# Altium PCB JDC-858D+HAKKO907.PcbDoc (part 2 of 2)
Units mm, origin at the board's own origin, x right, y up, seen from the top; angles counter-clockwise.
Board outline 83 x 150 mm, 2 copper layers (Top Layer, Bottom Layer); 168 components, 101 nets, 415 pads, 39 vias.
Unrouted connection lines stored in the file: 10.
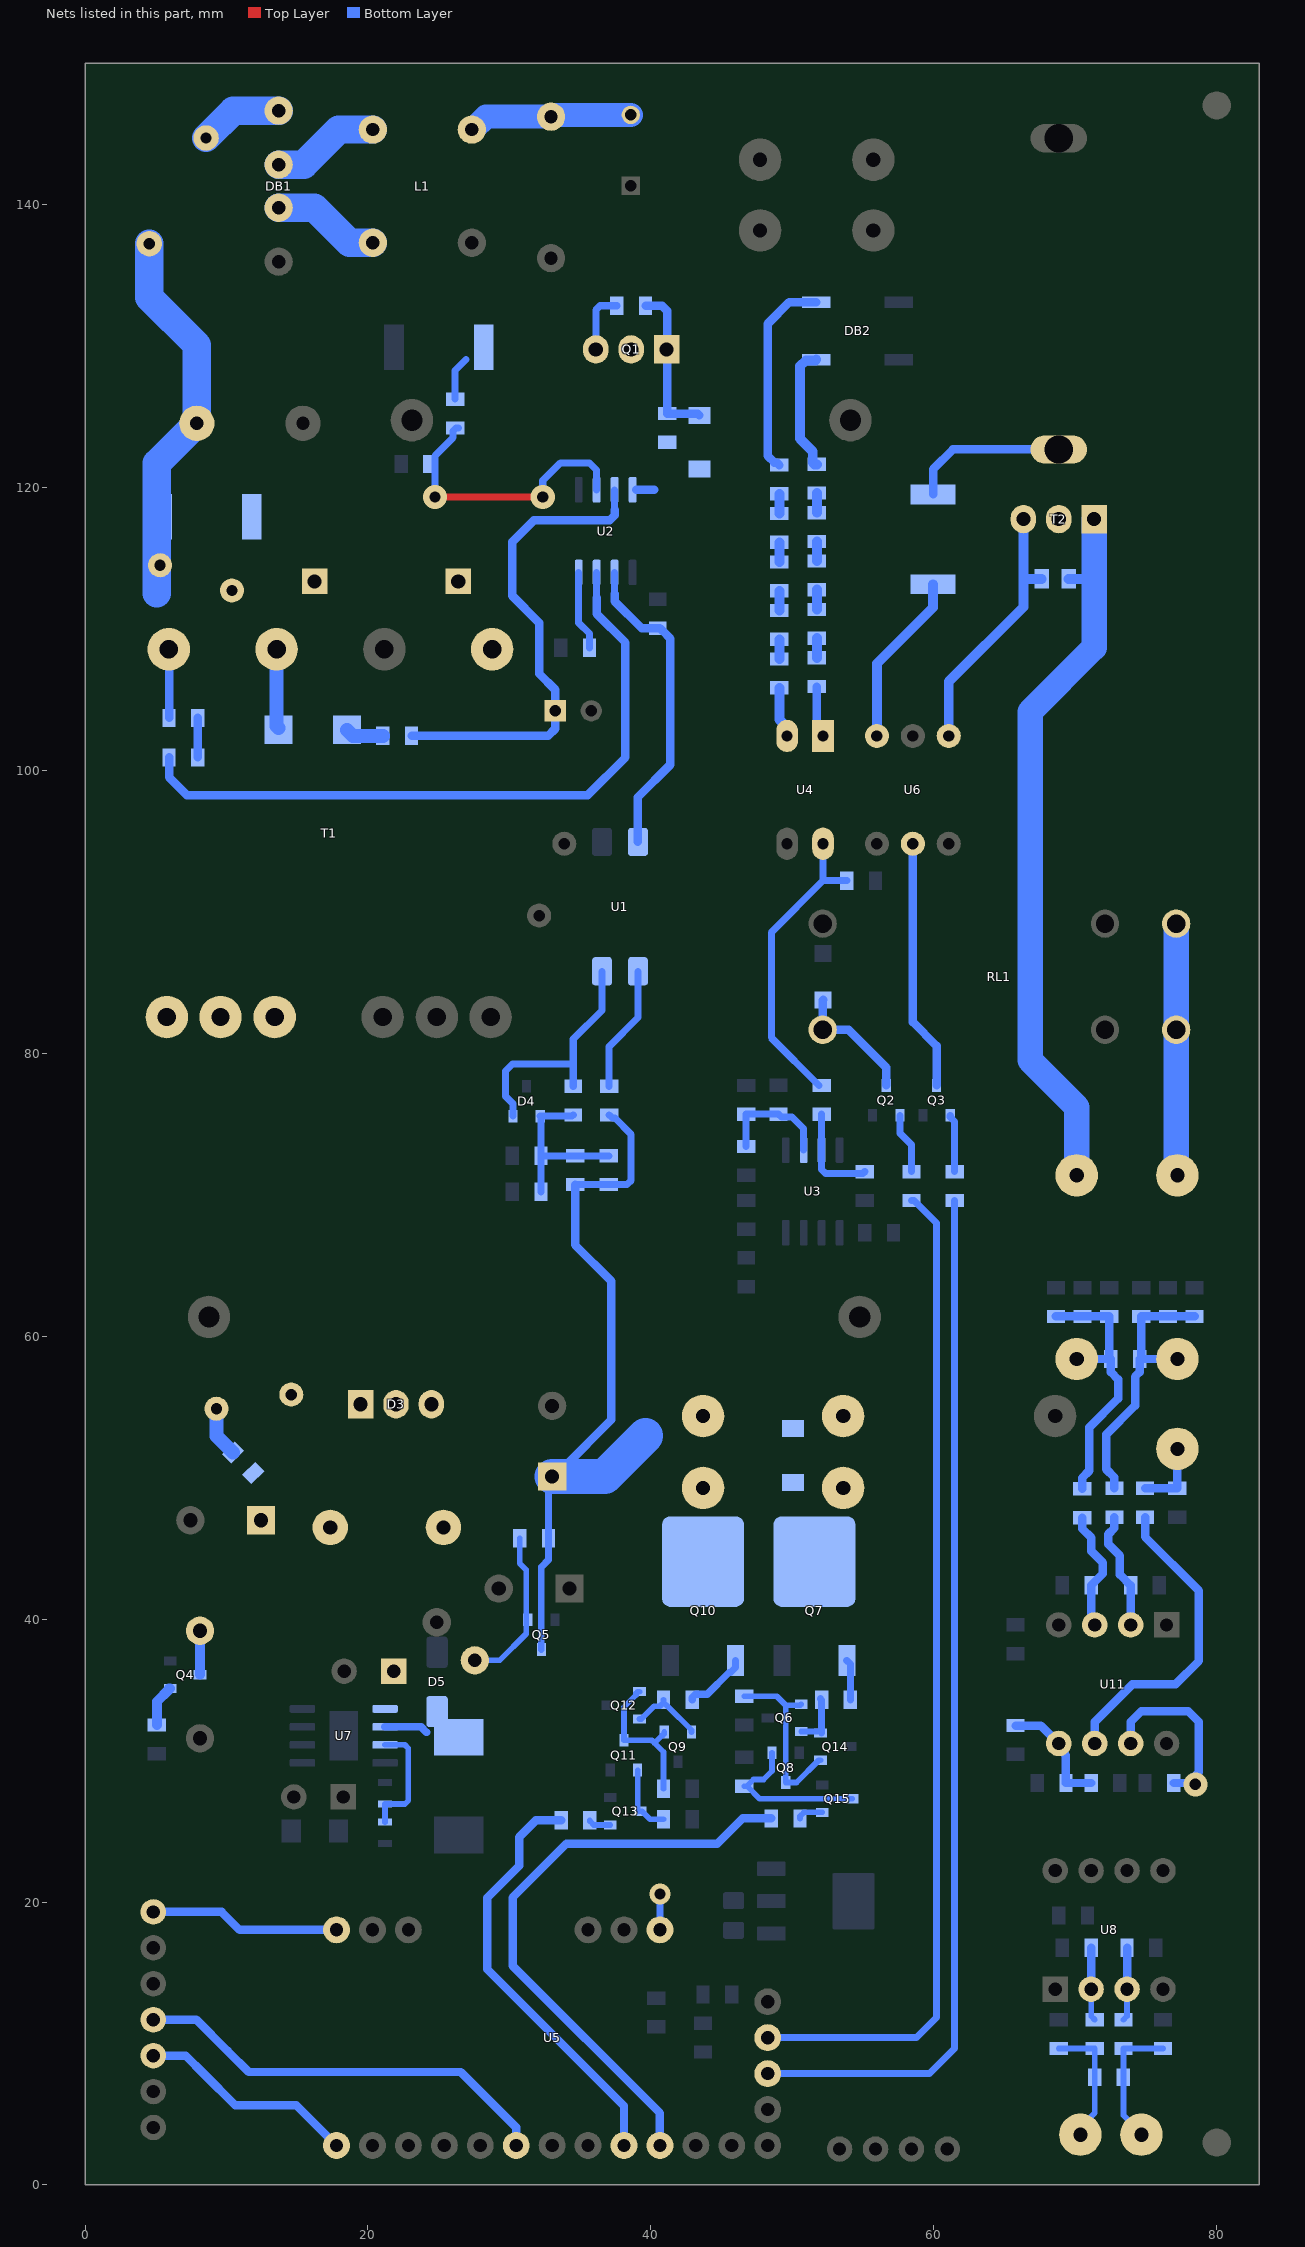
[diagram p2: the nets of this part, all layers, seen from the top]

## Via types
v1: diameter 1.7, hole 0.8, Top Layer to Bottom Layer, 30 vias
v2: diameter 1.2, hole 0.7, Top Layer to Bottom Layer, 6 vias
v3: diameter 1.5, hole 0.8, Top Layer to Bottom Layer, 3 vias

## Nets (pads, with @x,y where several pads share a name; then routed paths per layer and width w, separated by ;. In a path a pad name is that pad's centre, name@x,y a point inside that pad or via, vN(x,y) a via of type N, cw(c..) or ccw(c..) an arc to the next point about the centre after c; other vN are vias at no path point) (continued)
HAKKO_HEAT: R67.1 U5.10 | length 42.4
  Bottom Layer w0.6: U5.10@40.64,2.794 40.64,5.08 30.226,15.494 30.226,20.32 34.036,24.13 44.704,24.13 46.482,25.908 R67.1@48.514,25.908
HALL: R48.1 U5.22 U11.7 | length 15.2
  Bottom Layer w0.5: U5.22@40.64,18.034 v3(40.64,20.574)
  Bottom Layer w0.6: U11.7@73.914,31.21 73.914,32.734 74.676,33.496 77.978,33.496 78.74,32.734 78.74,29.178 77.978,28.416 R48.1@76.962,28.416
  other v1: 78.486,28.321
JDC_FAN: R62.1 U5.9 | length 30.2
  Bottom Layer w0.6: R62.1@33.655,25.781 31.877,25.781 30.679,24.583 30.679,22.551 28.448,20.32 28.448,15.24 38.1,5.588 U5.9@38.1,2.794
MOSI: PAD21.1 U5.31 | length 13.5
  Bottom Layer w0.6: PAD21.1@4.826,19.304 9.652,19.304 10.922,18.034 U5.31@17.78,18.034
NetC1_1: C1.1 C3.2 NTC1.2 R1.1 R2.2 T1.4 | length 32.1
  Bottom Layer w0.6: T1.4@5.921,108.56 5.94,108.541 R2.2@5.94,103.702
  Bottom Layer w2: NTC1.2@4.543,137.23 4.543,133.42 7.905,130.058 C1.1@7.905,124.53 5.08,121.705 5.08,112.522
NetC2_1: C2.1 F1.2 L1.1 | length 11.7
  Bottom Layer w1.7: L1.1@27.347,145.294 27.428,145.294 28.34,146.206 C2.1@32.943,146.206 33,146.263 33.212,146.263 33.283,146.334 F1.2@38.579,146.334
NetC3_1: C3.1 D1.2 R1.2
NetC4_1: C4.1 R3.1 U2.7 | length 34.7
  Bottom Layer w0.5: 37.436,118.434 U2.7@37.436,119.831
  Bottom Layer w0.6: R3.1@23.085,102.432 32.737,102.432 33.245,102.94 33.245,105.693 32.102,106.836 32.102,110.433 30.197,112.338 30.197,116.148 31.721,117.672 37.085,117.672 37.436,118.023 37.436,118.434
NetC5_2: C5.2 U1.4 U2.2 | length 22.4
  Bottom Layer w0.5: 37.436,112.465 U2.2@37.436,113.989
  Bottom Layer w0.6: 37.436,112.465 37.436,111.957 39.341,110.052 40.639,110.052 40.814,109.877 41.373,109.318 41.373,100.4 39.087,98.114 U1.4@39.087,94.939
NetC6_2: C6.2 R6.1 U2.6 | length 20.4
  Top Layer w0.5: v1(24.736,119.323) v1(32.356,119.323)
  Bottom Layer w0.5: v1(24.736,119.323) 24.736,122.233 26.016,123.513 26.016,123.986 26.236,124.206 R6.1@26.416,124.206 ; v1(32.356,119.323) 32.356,120.494 33.598,121.736 35.658,121.736 36.166,121.228 U2.6@36.166,119.831
NetC9_1: C9.1 R19.1 R25.1 U3.2 | length 8.3
  Bottom Layer w0.5: R19.1@46.736,73.406 R25.1@46.736,75.692 C9.1@49.022,75.692 49.224,75.49 49.986,75.49 50.8,74.676 U3.2@50.8,73.152
NetC10_1: C10.1 D3.1 D3.3 T1.5 T1.6 T1.7
NetC10_2: C10.2 R26.1 | length 3.6
  Bottom Layer w1: C10.2@9.294,54.872 9.294,52.936 R26.1@10.458,51.772
NetC11_1: C11.1 D3.2 L2.1 R26.2
NetC13_1: C13.1 D4.1 R29.1 R30.1 R31.2 R32.2 | length 12.5
  Bottom Layer w0.5: R31.2@32.229,70.212 R32.2@32.229,72.752 ; C13.1@34.515,75.635 34.436,75.556 D4.1@32.178,75.556 32.229,75.505 R32.2@32.229,72.752 ; R29.1@37.027,72.752 R30.1@34.642,72.752 R32.2@32.229,72.752
NetC13_2: C13.2 D4.2 U1.2 | length 17.4
  Bottom Layer w0.5: D4.2@30.248,75.556 30.248,76.432 29.718,76.962 29.718,78.74 30.226,79.248 34.515,79.248 ; C13.2@34.515,77.667 34.515,79.248 ; U1.2@36.547,85.795 36.547,83.029 34.515,80.997 34.515,79.248
NetC16_1: C16.1 PAD12.1 R38.1 R39.1 R40.1 R42.1 | length 19.7
  Bottom Layer w0.6: R38.1@68.636,61.398 R39.1@70.513,61.398 R40.1@72.39,61.398 72.39,58.515 C16.1@72.517,58.388 ; PAD12.1@70.104,58.388 C16.1@72.517,58.388 ; R42.1@70.485,49.206 70.485,49.976 70.993,50.484 70.993,53.554 73.033,55.594 73.033,56.942 72.517,57.458 C16.1@72.517,58.388
NetC16_2: C16.2 PAD11.1 R44.1 R45.1 R46.1 R47.1 | length 19.8
  Bottom Layer w0.6: R44.1@72.771,49.244 72.771,50.014 72.193,50.592 72.193,53.057 74.233,55.097 74.233,57.142 74.549,57.458 C16.2@74.549,58.388 C16.2@74.676,58.388 ; PAD11.1@77.216,58.388 C16.2@74.676,58.388 ; R46.1@78.43,61.398 R45.1@76.553,61.398 R47.1@74.676,61.398 C16.2@74.676,58.388
NetC19_1: C19.1 R50.1 R51.2 U11.5 | length 8.4
  Bottom Layer w0.6: C19.1@65.786,32.48 67.564,32.48 U11.5@68.834,31.21 68.834,30.885 69.342,30.377 R51.2@69.342,28.416 R50.1@71.12,28.416
NetC23_1: C23.1 PAD9.1 R27.1 R61.1 | length 9.4
  Bottom Layer w0.4: PAD9.1@74.676,3.556 74.676,3.654 73.406,4.924 C23.1@73.406,7.62 R61.1@73.406,9.652 R27.1@76.2,9.652
NetC23_2: C23.2 PAD8.1 R65.1 R66.1 | length 9.1
  Bottom Layer w0.4: R66.1@68.834,9.652 R65.1@71.374,9.652 C23.2@71.374,7.62 71.374,5.09 70.358,4.074 PAD8.1@70.358,3.556
NetD2_1: D2.1 Q1.1 R5.2 R8.2 | length 11.3
  Bottom Layer w0.6: R8.2@39.624,132.842 40.797,132.842 41.148,132.491 41.148,129.798 Q1.1@41.108,129.758 41.148,129.718 R5.2@41.148,125.222 43.302,125.222 D2.1@43.434,125.09
NetD2_2: D2.2 R5.1 U2.8 | length 1.2
  Bottom Layer w0.6: 38.981,119.831 40.231,119.831
NetD5_K: D5.2 L3.1 U7.2 | length 3.1
  Bottom Layer w0.55: U7.2@21.209,32.385 23.749,32.385 24.13,32.004
NetD6_2: D6.2 Q5.1 R59.2 | length 11.4
  Bottom Layer w0.4: D6.2@27.559,37.084 29.312,37.084 31.191,38.964 31.191,43.485 30.734,43.942 R59.2@30.734,45.72
NetD7_1: D7.1 Q2.3 RL1.2 | length 9
  Bottom Layer w0.6: D7.1@52.168,83.768 52.156,83.756 52.156,81.676 RL1.2@52.145,81.664 53.972,81.664 56.642,78.994 Q2.3@56.642,77.724
NetDB1_1: DB1.1 NTC1.1 | length 5.9
  Bottom Layer w2: NTC1.1@8.556,144.698 10.487,146.628 DB1.1@13.687,146.628
NetDB1_2: DB1.2 L1.2 | length 7.7
  Bottom Layer w2: DB1.2@13.687,142.818 15.465,142.818 17.941,145.294 L1.2@20.347,145.294
NetDB1_3: DB1.3 L1.3 | length 7.7
  Bottom Layer w2: DB1.3@13.687,139.77 16.227,139.77 18.703,137.294 L1.3@20.347,137.294
NetDB2_1: DB2.1 R13.1 | length 8.9
  Bottom Layer w0.7: DB2.1@51.689,129.032 51.639,128.982 50.956,128.982 50.546,128.572 50.546,123.444 51.442,122.548 51.442,121.751 51.562,121.631 R13.1@51.73,121.631
NetDB2_4: DB2.4 R20.1 | length 14.5
  Bottom Layer w0.6: R20.1@49.087,121.58 48.917,121.75 48.737,121.75 48.26,122.227 48.26,131.572 49.784,133.096 DB2.4@51.689,133.096
NetF2_2: F2.2 R33.2 T2.2 | length 11.2
  Bottom Layer w0.6: R33.2@59.944,119.507 59.944,121.281 61.345,122.682 F2.2@68.834,122.682
NetPAD5_1: PAD5.1 RL1.5 RL1.6 | length 17.8
  Bottom Layer w1.8: RL1.5@77.134,89.164 77.134,71.456 PAD5.1@77.216,71.374
NetPAD6_1: PAD6.1 R34.1 T2.1 | length 51.4
  Bottom Layer w0.7: R34.1@69.53,113.538 71.334,113.538
  Bottom Layer w1.8: PAD6.1@70.104,71.374 70.104,76.2 66.802,79.502 66.802,104.14 71.334,108.672 71.334,113.538 T2.1@71.334,117.758
NetPAD10_1: PAD10.1 R37.1 R49.1 | length 5.1
  Bottom Layer w0.6: R49.1@74.93,49.244 R37.1@77.216,49.244 PAD10.1@77.216,52.038
NetPAD14_1: PAD14.1 Q10.2
NetPAD16_1: Designator2.1 PAD16.1 Q7.2
NetQ1_3: Q1.3 R6.2 R8.1 R9.2 | length 7.5
  Bottom Layer w0.5: R6.2@26.162,126.238 26.162,128.27 26.924,129.032 ; Q1.3@36.108,129.758 36.108,132.549 36.401,132.842 R8.1@37.592,132.842
NetQ2_1: Q2.1 R35.1 | length 4.3
  Bottom Layer w0.5: Q2.1@57.607,75.613 57.607,74.346 58.42,73.533 R35.1@58.42,71.628
NetQ3_1: Q3.1 R36.1 | length 4.1
  Bottom Layer w0.5: Q3.1@61.163,75.613 61.163,75.488 61.468,75.183 R36.1@61.468,71.628
NetQ3_3: Q3.3 U6.2 | length 17.8
  Bottom Layer w0.6: U6.2@58.518,94.812 58.518,82.198 60.198,80.518 Q3.3@60.198,77.724
NetQ4_1: Q4.1 R52.1 | length 3
  Bottom Layer w0.7: R52.1@5.08,32.512 5.08,34.166 5.917,35.003 5.917,35.078 5.942,35.103 Q4.1@6.017,35.103
NetQ4_3: Q4.3 SP1.2 | length 3.1
  Bottom Layer w0.7: Q4.3@8.128,36.068 SP1.2@8.128,39.177
NetQ6_1: Q6.1 Q8.3 Q14.1 R56.2 | length 12.9
  Bottom Layer w0.4: R56.2@46.609,34.544 48.895,34.544 49.53,33.909 ; Q6.1@50.625,33.985 50.549,33.909 49.53,33.909 ; Q14.1@51.991,30.023 51.866,30.023 50.291,28.448 Q8.3@49.53,28.448 49.53,33.909
NetQ6_2: Q6.2 Q14.2 R68.2 | length 3.5
  Bottom Layer w0.4: Q6.2@50.625,32.055 Q14.2@51.714,32.055
  Bottom Layer w0.5: R68.2@51.991,34.369 R68.2@52.07,34.29 Q14.2@52.07,31.953
NetQ7_1: Q7.1 R68.1 | length 2.9
  Bottom Layer w0.5: Q7.1@53.848,37.084 54.102,36.83 R68.1@54.102,34.29
NetQ8_1: Q8.1 Q15.3 R55.2 | length 11.5
  Bottom Layer w0.4: R55.2@46.609,28.194 R55.2@46.789,28.194 ; Q8.1@48.565,30.559 48.565,29.261 47.968,28.664 47.259,28.664 R55.2@46.789,28.194 ; Q15.3@54.229,27.305 47.678,27.305 R55.2@46.789,28.194
NetQ9_1: Q9.1 Q11.3 Q12.1 R58.2 | length 10.8
  Bottom Layer w0.4: Q12.1@39.195,34.874 39.07,34.874 38.945,34.749 38.945,34.624 38.1,33.779 Q11.3@38.1,31.438 40.063,31.438 40.257,31.244 ; R58.2@40.894,28.009 40.894,30.607 40.257,31.244 ; Q9.1@40.945,32.025 40.945,31.9 40.82,31.775 40.787,31.775 40.257,31.244
NetQ9_2: Q9.2 Q12.2 R63.2 | length 5.3
  Bottom Layer w0.4: Q12.2@39.195,32.944 39.32,32.944 40.216,33.84 40.624,33.84 R63.2@40.894,34.11 ; R63.2@40.894,34.29 R63.2@40.894,34.11 ; Q9.2@42.875,32.025 42.875,32.15 41.185,33.84 41.164,33.84 R63.2@40.894,34.11
NetQ10_1: Q10.1 R63.1 | length 4.6
  Bottom Layer w0.5: R63.1@42.926,34.29 42.926,34.47 43.146,34.69 43.983,34.69 45.527,36.234 45.624,36.234 45.974,36.584 Q10.1@45.974,37.084
NetQ11_1: Q11.1 Q13.3 R57.2 | length 5.1
  Bottom Layer w0.4: Q11.1@39.065,29.327 39.065,26.541 39.19,26.416 Q13.3@39.368,26.416 ; Q13.3@39.493,26.291 Q13.3@39.368,26.416 ; R57.2@40.894,25.85 39.934,25.85 Q13.3@39.368,26.416
NetQ13_1: Q13.1 R62.2 | length 1.6
  Bottom Layer w0.4: R62.2@35.687,25.781 35.687,25.721 35.957,25.451 Q13.1@37.132,25.451
NetQ15_1: Q15.1 R67.2 | length 1.8
  Bottom Layer w0.4: R67.2@50.546,25.908 50.546,26.07 50.816,26.34 Q15.1@52.118,26.34
NetR2_1: R2.1 R4.2 | length 2.8
  Bottom Layer w0.6: R4.2@7.972,100.908 R2.1@7.972,103.702
NetR3_2: R3.2 SD1.2 | length 2.7
  Bottom Layer w1: SD1.2@18.519,102.862 18.949,102.432 R3.2@21.053,102.432
NetR4_1: R4.1 U2.3 | length 49.2
  Bottom Layer w0.5: 36.166,112.211 U2.3@36.166,113.989
  Bottom Layer w0.6: R4.1@5.94,100.908 5.94,99.508 7.207,98.241 35.531,98.241 38.198,100.908 38.198,109.036 36.166,111.068 36.166,112.211
NetR7_2: R7.2 U2.4 | length 5.6
  Bottom Layer w0.5: U2.4@34.896,113.989 34.896,110.433 35.658,109.671 R7.2@35.658,108.655
NetR10_2: R10.2 R18.1 U3.3 | length 7.1
  Bottom Layer w0.5: R18.1@52.07,75.692 52.07,71.794 52.363,71.501 54.991,71.501 R10.2@55.118,71.628
NetR12_1: R12.1 R18.2 U4.4 | length 21.7
  Bottom Layer w0.5: R18.2@51.89,77.724 48.514,81.1 48.514,88.548 52.168,92.202 ; U4.4@52.168,94.812 52.168,92.202 ; R12.1@53.848,92.202 52.168,92.202
NetR13_2: R13.2 R14.1 | length 1.4
  Bottom Layer w0.7: R14.1@51.73,118.212 R13.2@51.73,119.609
NetR14_2: R14.2 R15.1 | length 1.4
  Bottom Layer w0.7: R15.1@51.73,114.792 R14.2@51.73,116.189
NetR15_2: R15.2 R16.1 | length 1.4
  Bottom Layer w0.7: R16.1@51.73,111.373 R15.2@51.73,112.77
NetR16_2: R16.2 R17.1 | length 1.4
  Bottom Layer w0.7: R17.1@51.73,107.953 R16.2@51.73,109.35
NetR17_2: R17.2 U4.1 | length 3.9
  Bottom Layer w0.6: R17.2@51.73,105.921 51.73,102.87 U4.1@52.168,102.432 ; U4.1@52.271,102.583 U4.1@52.422,102.432
NetR20_2: R20.2 R21.1 | length 1.4
  Bottom Layer w0.7: R21.1@49.087,118.151 R20.2@49.087,119.548
NetR21_2: R21.2 R22.1 | length 1.4
  Bottom Layer w0.7: R22.1@49.087,114.722 R21.2@49.087,116.119
NetR22_2: R22.2 R23.1 | length 1.4
  Bottom Layer w0.7: R23.1@49.087,111.293 R22.2@49.087,112.69
NetR23_2: R23.2 R24.1 | length 1.4
  Bottom Layer w0.7: R24.1@49.087,107.864 R23.2@49.087,109.261
NetR24_2: R24.2 U4.2 | length 3.6
  Bottom Layer w0.7: R24.2@49.087,105.832 49.087,103.577 49.628,103.036 U4.2@49.628,102.432
NetR28_2: R28.2 U1.1 | length 9
  Bottom Layer w0.5: R28.2@37.055,77.667 37.055,80.489 39.087,82.521 U1.1@39.087,85.795
NetR33_1: R33.1 U6.6 | length 12.4
  Bottom Layer w0.7: U6.6@55.978,102.432 55.978,107.54 59.944,111.506 R33.1@59.944,113.157
NetR34_2: R34.2 T2.3 U6.4 | length 18.8
  Bottom Layer w0.7: U6.4@61.058,102.432 61.058,106.27 66.334,111.546 66.334,113.517 ; T2.3@66.334,117.758 66.334,113.517 ; R34.2@67.63,113.538 66.355,113.538 66.334,113.517
NetR41_2: R41.2 R42.2 U11.3 | length 8.6
  Bottom Layer w0.6: R42.2@70.485,47.174 70.485,46.404 71.128,45.761 71.128,44.81 71.952,43.986 71.952,43.218 R41.2@71.12,42.386 71.12,40.17 71.374,39.916 U11.3@71.374,39.592
NetR43_2: R43.2 R44.2 U11.2 | length 8.5
  Bottom Layer w0.6: R44.2@72.771,47.212 72.771,46.442 72.328,45.999 72.328,45.307 73.152,44.483 73.152,43.148 R43.2@73.914,42.386 U11.2@73.914,39.592
NetR49_2: R49.2 U11.6 | length 22.4
  Bottom Layer w0.6: U11.6@71.374,31.21 71.374,32.734 74.041,35.401 77.089,35.401 78.74,37.052 78.74,42.005 74.93,45.815 R49.2@74.93,47.212
NetR53_2: R53.2 R54.1 U7.3 | length 8.5
  Bottom Layer w0.4: R54.1@21.209,25.652 R53.2@21.209,26.926 22.608,26.926 22.86,27.178 22.86,30.861 22.606,31.115 U7.3@21.209,31.115
NetR60_2: R60.2 R61.2 U8.3 | length 5.2
  Bottom Layer w0.4: R61.2@73.406,11.684 73.66,11.938 U8.3@73.66,13.843
  Bottom Layer w0.6: U8.3@73.66,13.843 R60.2@73.66,16.764
NetR64_2: R64.2 R65.2 U8.2 | length 5.2
  Bottom Layer w0.4: U8.2@71.12,13.843 71.12,11.938 R65.2@71.374,11.684
  Bottom Layer w0.6: U8.2@71.12,13.843 R64.2@71.12,16.764
NetSD1_1: SD1.1 T1.3 | length 5.6
  Bottom Layer w1: T1.3@13.541,108.56 13.541,103.129 SD1.1@13.681,102.989
RELAY: R35.2 U5.16 | length 71.1
  Bottom Layer w0.5: U5.16@48.26,10.414 58.783,10.414 60.198,11.829 60.198,67.998 58.6,69.596 R35.2@58.42,69.596
RES: PAD23.1 U5.6 | length 30.3
  Bottom Layer w0.6: PAD23.1@4.826,11.684 7.874,11.684 10.084,9.474 11.571,7.987 26.557,7.987 30.48,4.064 U5.6@30.48,2.54
SCK: PAD22.1 U5.1 | length 15.6
  Bottom Layer w0.6: PAD22.1@4.826,9.144 7.112,9.144 8.433,7.823 10.604,5.652 14.922,5.652 U5.1@17.78,2.794
SW: D1.1 Q1.2 T1.1
TRIAC: R36.2 U5.15 | length 73.9
  Bottom Layer w0.5: U5.15@48.26,7.874 59.69,7.874 61.468,9.652 61.468,11.793 R36.2@61.468,69.596
VCC: C12.1 C18.1 Designator2.2 L2.2 PAD13.1 PAD15.1 Q5.3 R28.1 R29.2 R30.2 R59.1 U7.1 | length 53.6
  Bottom Layer w0.48: Q5.3@32.258,37.846 32.258,43.688
  Bottom Layer w0.5: 32.258,43.688 32.766,44.196 R59.1@32.766,45.72 32.766,49.824 C12.1@33.02,50.078 ; R30.2@34.642,70.72 R29.2@37.027,70.72 38.315,70.72 38.608,71.013 38.608,74.262 37.455,75.415 37.275,75.415 R28.1@37.055,75.635
  Bottom Layer w0.6: C12.1@33.02,50.078 33.72,50.778 C12.1@34.014,50.778 ; C12.1@33.804,50.695 37.211,54.102 37.211,63.881 34.642,66.45 R30.2@34.642,70.72
  Bottom Layer w2.5: C12.1@33.02,50.078 36.743,50.078 39.624,52.959
pads on no net: D5.0 U2.5 U3.5 U3.6 U3.7 U5.2 U5.3 U6.3 U6.5 U8.5 U8.6 U8.7

## Polygon pours and split planes (outlines as drawn)
GND on Bottom Layer "GND_L02_P047" (solid, pour order 47): 34.544,22.86 31.922,20.238 31.922,16.084 33.274,14.732 56.295,14.732 57.357,15.795 57.357,16.717 57.103,16.717 56.642,16.256 52.578,16.256 50.234,18.6 45.847,18.6 45.847,19.885 42.873,22.86
GND on Bottom Layer "GND_L02_P046" (solid, remove dead copper, pour order 46): 28.448,14.224 37.365,5.307 37.365,4.064 37.111,3.81 36.576,3.81 36.322,4.064 36.322,4.572 28.956,11.938 8.382,11.938 2.286,18.034 24.13,18.034 29.083,22.987 29.083,35.306 29.972,36.195 32.639,36.195 33.909,37.465 33.909,38.989 34.925,40.005 38.227,40.005 38.862,39.37 38.862,38.354 35.814,35.306 35.814,28.194 34.925,27.305 33.401,27.305 32.512,26.416 32.512,24.257 28.448,20.193
5V on Bottom Layer "5V_L02_P045" (solid, pour order 45): 18.986,22.162 22.288,22.162 22.479,21.971 22.479,21.336 22.225,21.082 21.59,21.082 21.27,20.762 21.27,18.034 19.37,18.034 19.37,19.619 17.653,21.336 15.498,21.336 14.671,22.164 17.018,24.511 17.018,24.638 19.425,24.886 17.907,23.368 17.907,23.241
GND on Bottom Layer "GND_L02_P044" (solid, remove dead copper, pour order 44): 15.255,24.219 15.66,24.624 15.66,27.432 13.462,27.432 13.462,36.576 10.922,39.116 10.922,42.926 9.906,43.942 2.032,43.942 1.016,42.926 1.016,0.91 1.926,0 28.448,0 28.89,0.442 28.89,2.794 27.94,3.744 7.686,3.744 4.826,6.604 4.826,21.1 5.57,21.844 13.208,21.844 15.748,24.384 15.748,24.638
GND on Bottom Layer "GND_L02_P043" (solid, pour order 43): 64.63,17.145 66.421,15.354 66.421,12.827 67.316,11.932 67.316,11.684 64.389,11.684 63.754,12.319 63.754,25.213 63.475,25.492 63.475,32.078 64.63,30.923 66.867,30.923 67.78,30.01 67.78,27.766 68.326,27.22 68.326,26.289 66.867,24.83 66.867,21.652 67.818,20.701 70.866,20.701 71.341,20.226 71.341,18.42 70.391,18.42 70.391,19.906 69.977,20.32 66.421,20.32 64.63,18.529
NetQ1_3 on Bottom Layer "NONET_L01_P-001" (solid, pour order 15): 31.025,128.307 31.476,128.758 36.108,128.758 36.108,130.758 29.639,130.758 28.89,131.507 26.3,131.507 26.3,128.307
NetPAD16_1 on Bottom Layer "NONET_L01_P-001" (solid, pour order 41): 54.864,51.308 55.626,50.546 55.626,48.433 54.462,47.269 54.462,44.069 48.662,44.069 48.662,50.186 49.784,51.308
NetPAD14_1 on Bottom Layer "NONET_L01_P-001" (solid, pour order 40): 40.788,44.069 40.788,50.186 41.91,51.308 45.466,51.308 46.588,50.186 46.588,44.069
VCC on Bottom Layer "NONET_L01_P-001" (solid, pour order 39): 41.656,52.07 38.1,48.514 34.29,48.514 34.29,49.276 41.91,56.896 54.864,56.896 55.626,56.134 55.626,52.832 54.864,52.07
GND on Bottom Layer "NONET_L01_P-001" (solid, pour order 38): 19.288,34.417 15.854,34.417 15.367,33.93 15.367,29.57 15.727,29.21 19.288,29.21
5V on Bottom Layer "NONET_L01_P-001" (solid, pour order 36): 28.166,26.044 24.012,26.044 22.35,24.382 19.941,24.382 19.304,25.019 19.304,28.575 17.399,28.575 17.018,28.194 17.018,24.638 18.923,22.733 27.455,22.733 28.166,23.444
VCC on Bottom Layer "NONET_L01_P-001" (solid, pour order 35): 22.17,33.38 22.716,33.926 22.716,36.322 20.916,36.322 20.916,34.481 20.309,33.874 20.309,33.476 20.405,33.38
GND on Bottom Layer "NONET_L01_P-001" (solid, pour order 30): 79.026,59.468 79.756,60.198 79.756,62.738 79.534,62.96 74.026,62.96 73.843,63.143 73.66,63.326 73.66,65.278 80.264,65.278 81.839,63.703 81.839,43.129 79.756,45.212 79.756,52.832 78.486,54.102 75.692,54.102 75.438,54.356 75.438,55.88 75.692,56.134 78.486,56.134 79.026,56.674
NetD5_K on Bottom Layer "NONET_L01_P-001" (solid, pour order 29): 28.051,34.56 28.321,34.29 28.321,30.499 28.166,30.344 24.266,30.344 23.876,30.734 23.876,31.75 23.516,32.11 21.209,32.11 21.209,32.66 23.516,32.66 24.671,33.815 25.416,34.56
GND on Bottom Layer "NONET_L01_P-001" (solid, pour order 28): 18.36,85.598 19.63,84.328 21.082,84.328 22.352,85.598 24.13,87.376 24.13,89.154 23.876,89.408 4.064,89.408 1.016,86.36 1.016,45.72 2.032,44.704 8.128,44.704 8.89,45.466 8.89,49.784 5.842,52.832 5.842,66.294 3.048,69.088 3.048,84.582 4.064,85.598
GND on Bottom Layer "NONET_L01_P-001" (solid, pour order 27): 30.024,80.703 30.167,80.56 28.702,79.095 28.702,69.342 34.798,63.246 34.798,54.356 34.036,53.594 30.734,53.594 28.067,56.261 28.067,62.484 19.541,71.01 19.541,80.703
NetC10_1 on Bottom Layer "NONET_L01_P-001" (solid, pour order 26): 23.584,55.188 23.584,57.188 23.114,57.658 21.082,57.658 20.384,56.96 20.384,54.188 14.138,54.188 13.208,55.118 13.208,62.23 4.247,71.191 4.247,80.703 14.73,80.703 14.873,80.56 14.873,71.741 25.384,61.23 25.384,55.188
VCC on Bottom Layer "NONET_L01_P-001" (solid, pour order 25): 23.368,47.244 27.686,51.562 34.29,51.562 34.798,51.054 34.798,49.022 34.29,48.514 29.21,48.514 28.194,47.498 28.194,44.704 27.686,44.196 23.876,44.196 23.368,44.704
NetC11_1 on Bottom Layer "NONET_L01_P-001" (solid, pour order 24): 21.084,53.594 20.32,52.83 19.306,51.816 12.7,51.816 10.414,49.53 10.414,45.466 11.176,44.704 18.288,44.704 18.796,45.212 18.796,48.26 18.288,48.768 13.462,48.768 13.462,49.022 19.558,49.022 22.884,52.348 22.884,55.188 21.084,55.188
GND on Bottom Layer "NONET_L01_P-001" (solid, pour order 21): 68.409,39.117 68.834,38.692 70.104,39.962 70.104,45.212 69.342,45.974 69.342,50.546 69.85,51.054 69.85,54.102 70.612,54.864 70.612,55.88 70.358,56.134 68.834,56.134 68.072,56.896 68.072,59.944 67.818,60.198 67.056,60.198 66.802,59.944 66.802,49.53 68.326,48.006 68.326,44.45 67.818,43.942 66.294,43.942 65.156,42.804 65.156,39.117
GND on Bottom Layer "NONET_L01_P-001" (solid, pour order 20): 46.99,59.436 51.562,59.436 52.324,60.198 52.324,62.484 53.594,63.754 55.88,63.754 57.723,61.911 58.166,61.911 58.166,64.77 57.15,65.786 50.546,65.786 49.022,64.262 45.212,64.262 44.196,65.278 44.196,75.438 45.466,76.708 50.038,76.708 50.292,76.962 50.292,77.978 47.498,80.772 47.498,90.297 44.958,87.757 44.958,77.978 43.18,76.2 43.18,63.246
AC-L on Bottom Layer "NONET_L01_P-001" (solid, pour order 18): 65.786,142.24 71.12,142.24 71.882,143.002 71.882,146.304 71.374,146.812 66.294,146.812 65.786,146.304 65.786,144.526 65.024,143.764 65.024,142.748
NetF2_2 on Bottom Layer "NONET_L01_P-001" (solid, pour order 17): 69.734,117.758 69.734,120.28 71.343,121.889 71.343,123.729 70.866,124.206 66.802,124.206 66.308,123.712 66.308,121.184 67.934,119.558 67.934,117.758
NetD2_2 on Bottom Layer "NONET_L01_P-001" (solid, pour order 16): 39.606,119.831 40.498,120.723 40.498,121.016 40.498,123.66 41.798,123.66 41.798,122.72 42.628,121.89 44.209,121.89 44.209,120.69 43.066,119.547 38.981,119.547
SW on Bottom Layer "NONET_L01_P-001" (solid, pour order 14): 27.281,108.56 25.487,110.354 25.487,116.927 27.281,118.721 27.281,121.007 32.766,126.492 35.814,126.492 37.708,128.386 37.708,129.758 39.508,129.758 39.508,127.646 36.576,124.714 33.528,124.714 29.21,120.396 29.21,118.11 27.287,116.187 27.287,112.175 30.281,109.181 30.281,108.56
GND on Bottom Layer "NONET_L01_P-001" (solid, pour order 13): 32.639,87.757 31.369,87.757 30.167,86.555 30.167,84.922 30.167,84.56 29.972,84.365 29.972,84.328 19.63,84.328 19.541,84.417 19.541,85.835 25.4,91.694 32.808,91.694 33.782,90.72 33.782,88.9
NetC3_1 on Bottom Layer "NONET_L01_P-001" (solid, pour order 12): 17.127,114.254 15.327,114.254 13.208,116.373 13.208,119.634 12.954,119.888 11.029,119.888 10.566,119.425 10.566,115.214 9.144,113.792 9.144,111.76 9.398,111.506 11.176,111.506 12.124,112.454 17.127,112.454
GND_PR on Bottom Layer "NONET_L01_P-001" (solid, pour order 5): 38.431,116.762 39.52,117.851 43.185,117.851 43.942,117.094 43.942,109.769 41.754,111.957 39.087,111.957 38.431,112.613
GND_PR on Bottom Layer "NONET_L01_P-001" (solid, pour order 4): 19.848,124.566 22.661,121.753 22.661,108.56 22.609,108.56 21.561,107.499 20.939,107.499 19.661,108.777 19.661,118.506 14.521,123.646 15.084,124.276 15.374,124.566
GND_PR on Bottom Layer "NONET_L01_P-001" (solid, pour order 3): 15.405,126.619 15.151,126.365 14.859,126.365 14.521,126.027 14.521,124.074 15.405,123.19 20.574,123.19 20.574,125.73 22.54,127.696 22.54,131.507 15.937,131.507 15.405,130.975
NetC1_1 on Bottom Layer "NONET_L01_P-001" (solid, pour order 1): 6.155,114.497 6.155,110.447 6.982,109.621 4.86,107.499 3.781,108.579 3.781,114.624 4.831,115.674 5.305,115.674

## Keep-outs
Keep-Out Layer:
  lines w0.254: 0,0 0,150 41.5,150 83,150 83,0 0,0

## Other copper
Bottom Layer:
  rectangle net GND: 24.45,0.733 28.89,4.064
  region net 3.3V_BUS: 67.597,25.56 68.58,24.576 68.58,24.534 69.7,25.654
  region net 3.3V_BUS: 80.264,27.066 78.852,25.654 80.264,24.242
  region net GND: 63.5,6.35 62.484,5.334 60.96,5.334 60.06,4.434 60.06,1.662 60.96,0.762 64.389,0.762 64.389,3.429 64.262,3.556
  region net 3.3V_BUS: 56.642,22.352 55.823,21.533 55.823,19.566 54.323,18.066 52.823,19.566 52.823,20.982 53.907,22.066 54.07,22.066 55.499,23.495
  pour cut-out: 7.678,35.743 8.602,34.819 8.602,32.458
  region net GND: 15.66,27.936 15.66,24.296 14.732,23.368 13.716,23.368 13.208,23.876 13.208,27.153 14.124,28.068
  region net GND: 81.534,12.446 77.597,8.509 76.581,7.493 76.581,6.096 77.216,5.461 77.216,1.905 76.421,1.11 76.421,1.016 80.772,1.016 81.534,1.778
  region net GND: 63.5,12.192 63.5,1.651 64.389,0.762 68.005,0.762 68.259,1.016 67.437,1.838 67.437,7.277 66.294,8.42 66.294,12.192
  region net GND: 40.767,38.481 43.434,38.481 43.688,38.227 43.688,35.941 43.434,35.687 40.767,35.687 40.513,35.941 40.513,38.227
  region net GND: 48.641,38.481 51.308,38.481 51.562,38.227 51.562,35.941 51.308,35.687 48.641,35.687 48.387,35.941 48.387,38.227
  region net GND: 19.939,45.339 18.669,44.069 12.065,44.069 11.557,43.561 11.557,39.37 12.065,38.862 16.764,38.862 19.685,41.783 20.65,41.783
  region net GND: 19.336,36.322 19.336,38.132 19.982,38.778 28.11,38.778 30.353,41.021 30.353,42.799 29.718,43.434 28.448,43.434 28.194,43.18 21.336,43.18 16.891,38.735 16.891,36.322
  region net GND: 14.16,36.004 18.161,40.005 18.161,37.75 19.336,36.575 19.336,29.21 18.288,29.21 18.288,34.417 16.383,34.417
  region net GND: 17.018,34.798 14.986,36.83 13.86,35.704 13.86,27.432 14.76,26.532 15.66,27.432 15.66,28.44 17.018,29.798
  region net GND: 22.606,44.196 23.749,43.053 23.749,41.783 22.098,40.132 19.812,40.132 19.812,48.26 29.972,58.42 32.004,58.42 34.557,55.867 34.557,55.078 34.417,53.975 33.02,52.578 27.559,52.578 22.606,47.625
  region net GND: 69.85,52.578 69.85,53.848 70.612,54.61 70.612,55.88 70.358,56.134 68.834,56.134 68.453,56.515 68.081,56.515 66.948,55.382 66.948,53.194 67.818,52.324
  region net NetC10_1: 14.873,80.56 14.873,82.671 11.988,82.671 11.877,82.56 11.877,80.703 12.5,80.08
  region net NetC10_1: 7.243,80.56 7.243,82.671 4.358,82.671 4.247,82.56 4.247,80.703 4.87,80.08
  region net NetC10_1: 11.075,80.56 11.075,82.671 8.19,82.671 8.079,82.56 8.079,80.703 8.702,80.08
  region net GND: 30.167,84.56 30.167,82.449 27.282,82.449 27.171,82.56 27.171,84.417 27.794,85.04
  region net GND: 22.537,84.56 22.537,82.449 19.652,82.449 19.541,82.56 19.541,84.417 20.164,85.04
  region net GND: 26.369,84.56 26.369,82.449 23.484,82.449 23.373,82.56 23.373,84.417 23.996,85.04
  region net GND: 26.369,80.56 26.369,82.671 23.484,82.671 23.373,82.56 23.373,80.703 23.996,80.08
  region net GND: 22.537,80.56 22.537,82.671 19.652,82.671 19.541,82.56 19.541,80.703 20.164,80.08
  region net GND: 30.167,80.56 30.167,82.671 27.282,82.671 27.171,82.56 27.171,80.703 27.794,80.08

## Silkscreen, mask and mechanical layers (free items; w line width, h text height)
Top Overlay:
  drawing of 167 lines, arcs and shapes, not listed
  text "HEAT A" at 66.264,69.88 h3 r45
  text "HEAT B" at 75.408,69.88 h3 r45
  text "SENSE+" at 65.024,58.928 h3 r45
  text "SENSE-" at 74.168,58.928 h3 r45
  text "MASS" at 62.992,51.294 h3 r45
  text "HALL" at 73.406,50.8 h3 r45
  text "VCC" at 41.802,45.126 h2
  text "VCC" at 51.708,45.126 h2
  text "V1.0" at 64.092,44.596 h2 r90
  text "PWM" at 41.548,42.818 h2
  text "PWM" at 51.454,42.818 h2
  text "JDC-858D" at 61.516,27.07 h5 r90
  text "&HAKKO-907" at 64.337,27.07 h2 r90
  text "ADC HAKKO" at 35.543,21.919 h2 r45
  text "ADC JDC" at 38.083,21.919 h2 r45
  text "HALL JDC" at 40.623,21.919 h2 r45
  text "MOSI" at 7.148,18.31 h2 r45
  text "CS" at 7.148,15.77 h2 r45
  text "DC" at 7.148,13.229 h2 r45
  text "ENCODER SW" at 51.644,10.838 h2
  text "RES" at 7.148,10.69 h2 r45
  text "SCLK" at 7.148,8.15 h2 r45
  text "TFT 170*320" at 3.132,7.004 h2 r90
  text "5V" at 7.131,5.61 h2 r45
  text "E SW" at 53.932,4.464 h2 r90
  text "E A" at 56.496,4.464 h2 r90
  text "E B" at 59.036,4.464 h2 r90
  text "GND" at 61.552,4.464 h2 r90
  text "S907 P" at 69.8,3.86 h3 r45
  text "S907 N" at 74.372,3.86 h3 r45
  text "GND" at 7.148,3.07 h2 r45
Mechanical 15:
  the board outline again, w0.254

## Text inside footprints (layer, text, board x,y; h text height)
DB1: Top Overlay "+" at 11.401,146.08 h3; Top Overlay "~" at 11.348,143.453 h3 r270; Top Overlay "-" at 12.504,135.579 h3 r90; Top Overlay "~" at 11.348,140.405 h3 r270
DB2: Bottom Overlay "~" at 55.215,132.583 h1.75 r270; Bottom Overlay "-" at 54.513,133.096 h1.75 r90; Bottom Overlay "~" at 55.215,128.859 h1.75 r270; Bottom Overlay "+" at 54.029,129.54 h1.75 r90
SP1: Top Overlay "+" at 7.095,30.373 h4 r90